# KiCad board HandyWork-5x3-with-mods-with-nav-PCB.kicad_pcb (continued)
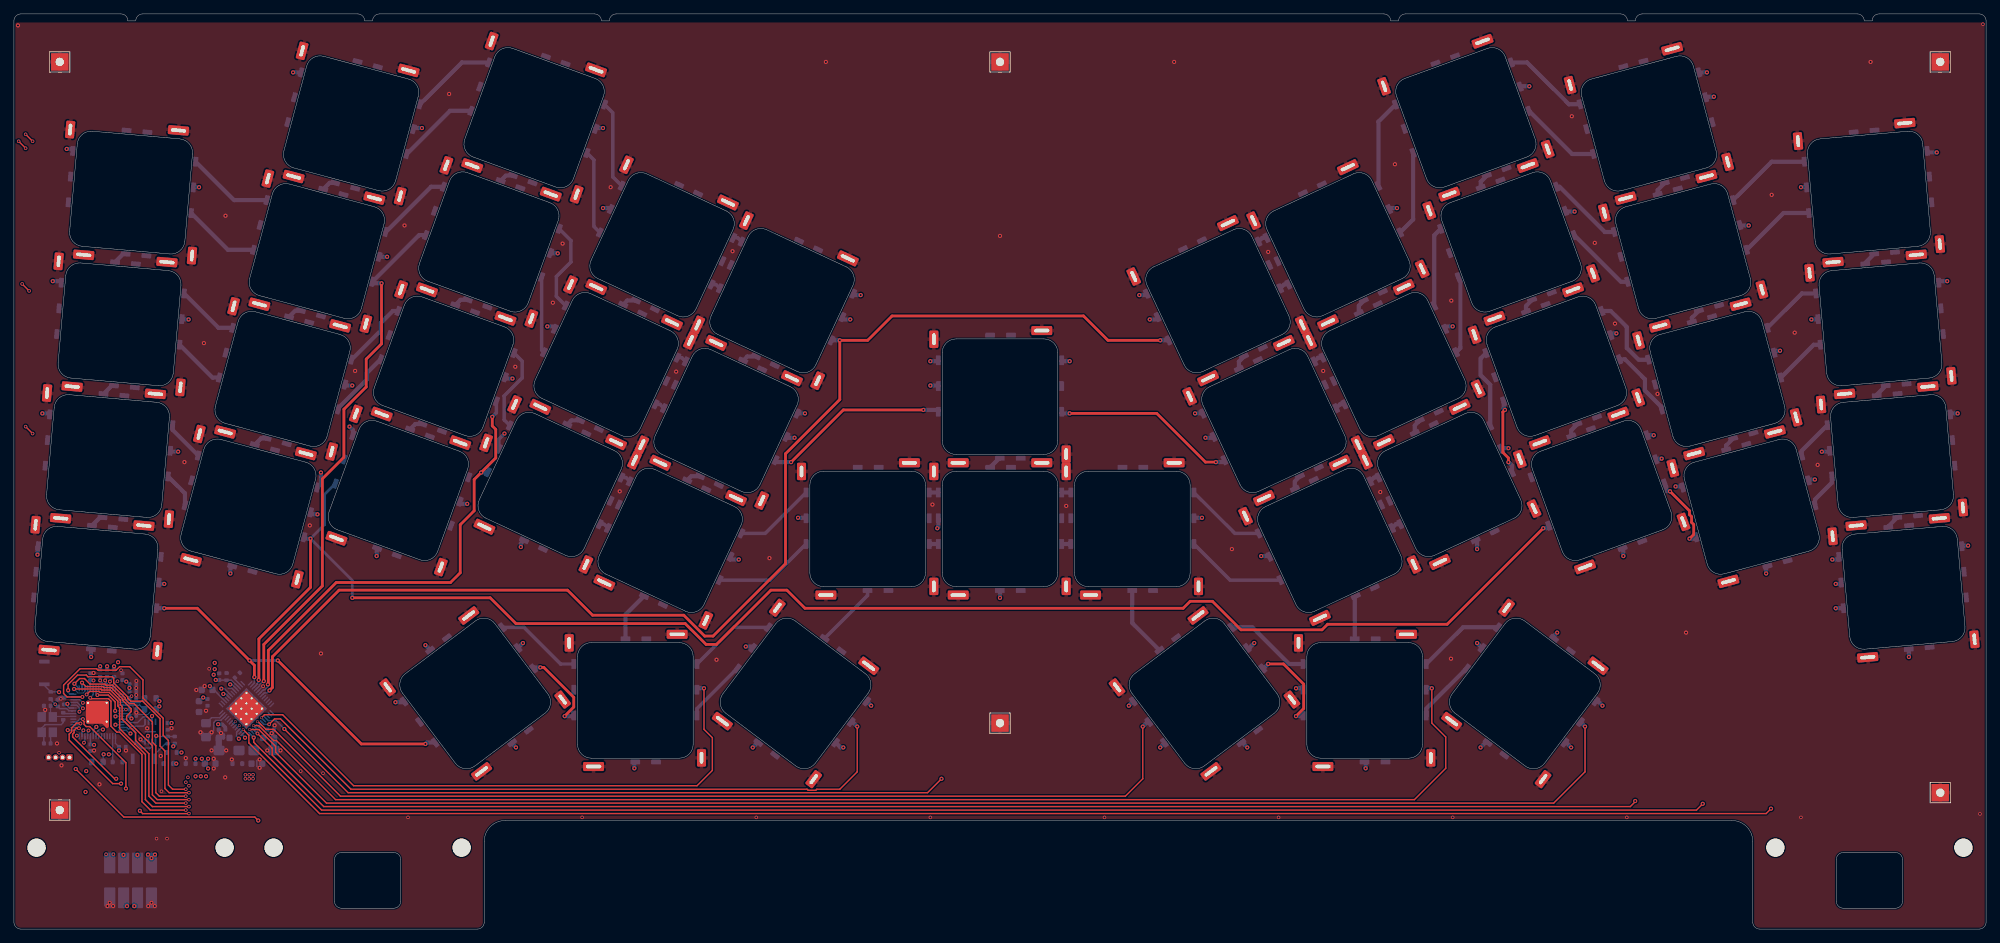
[diagram p0: board, top side]
## Nets (continued)
Net-(SW_R2C11A-ROW-Pad4): SW_R2C11.4 SW_R2C12.3
Net-(SW_R2C11B-LED--Pad8): SW_R2C11.8 SW_R2C12.7
Net-(SW_R2C12A-COL-Pad9): SW_R2C12.9 SW_R3C12.1
Net-(SW_R2C12A-ROW-Pad4): SW_R2C12.4 SW_R2C13.3
Net-(SW_R2C12B-LED--Pad8): SW_R2C12.8 SW_R2C13.7
Net-(SW_R2C13A-COL-Pad9): SW_R2C13.9 SW_R3C13.1
Net-(SW_R3C1A-COL-Pad9): SW_R3C1.9 SW_R4C1.1
Net-(SW_R3C1A-ROW-Pad4): SW_R3C1.4 SW_R3C2.3
Net-(SW_R3C1B-LED--Pad8): SW_R3C1.8 SW_R3C2.7
Net-(SW_R3C2A-COL-Pad9): SW_R3C2.9 SW_R4C2.1
Net-(SW_R3C2A-ROW-Pad4): SW_R3C2.4 SW_R3C3.3
Net-(SW_R3C2B-LED--Pad8): SW_R3C2.8 SW_R3C3.7
Net-(SW_R3C3A-COL-Pad9): SW_R3C3.9 SW_R4C3.1
Net-(SW_R3C3A-ROW-Pad4): SW_R3C3.4 SW_R3C4.3
Net-(SW_R3C4A-COL-Pad9): SW_R3C4.9 SW_R5C4.1
Net-(SW_R3C4A-ROW-Pad4): SW_R3C4.4 SW_R3C5.3
Net-(SW_R3C4B-LED--Pad8): SW_R3C4.8 SW_R3C5.7
Net-(SW_R3C5A-COL-Pad9): SW_R3C5.9 SW_R5C5.1
Net-(SW_R3C5A-ROW-Pad4): SW_R3C5.4 SW_R3C6.3
Net-(SW_R3C5B-LED--Pad8): SW_R3C5.8 SW_R3C6.7
Net-(SW_R3C6A-COL-Pad9): SW_R3C6.9 SW_R5C6.1
Net-(SW_R3C6A-ROW-Pad4): SW_R3C6.4 SW_R3C7.3
Net-(SW_R3C6B-LED--Pad8): SW_R3C6.8 SW_R3C7.7
Net-(SW_R3C7A-ROW-Pad4): SW_R3C7.4 SW_R3C8.3
Net-(SW_R3C7B-LED--Pad8): SW_R3C7.8 SW_R3C8.7
Net-(SW_R3C8A-COL-Pad9): SW_R3C8.9 SW_R5C8.1
Net-(SW_R3C8A-ROW-Pad4): SW_R3C8.4 SW_R3C9.3
Net-(SW_R3C8B-LED--Pad8): SW_R3C8.8 SW_R3C9.7
Net-(SW_R3C9A-COL-Pad9): SW_R3C9.9 SW_R5C9.1
Net-(SW_R3C10A-COL-Pad9): SW_R3C10.9 SW_R5C10.1
Net-(SW_R3C10A-ROW-Pad3): SW_R3C9.4 SW_R3C10.3
Net-(SW_R3C10A-ROW-Pad4): SW_R3C10.4 SW_R3C11.3
Net-(SW_R3C10B-LED--Pad7): SW_R3C9.8 SW_R3C10.7
Net-(SW_R3C10B-LED--Pad8): SW_R3C10.8 SW_R3C11.7
Net-(SW_R3C11A-COL-Pad9): SW_R3C11.9 SW_R4C11.1
Net-(SW_R3C11A-ROW-Pad4): SW_R3C11.4 SW_R3C12.3
Net-(SW_R3C11B-LED--Pad8): SW_R3C11.8 SW_R3C12.7
Net-(SW_R3C12A-COL-Pad9): SW_R3C12.9 SW_R4C12.1
Net-(SW_R3C12A-ROW-Pad4): SW_R3C12.4 SW_R3C13.3
Net-(SW_R3C12B-LED--Pad8): SW_R3C12.8 SW_R3C13.7
Net-(SW_R3C13A-COL-Pad9): SW_R3C13.9 SW_R4C13.1
Net-(SW_R4C1A-COL-Pad9): SW_R4C1.9 SW_R5C1.1
Net-(SW_R4C1A-ROW-Pad4): SW_R4C1.4 SW_R4C2.3
Net-(SW_R4C1B-LED--Pad8): SW_R4C1.8 SW_R4C2.7
Net-(SW_R4C2A-ROW-Pad4): SW_R4C2.4 SW_R4C3.3
Net-(SW_R4C11A-ROW-Pad4): SW_R4C11.4 SW_R4C12.3
Net-(SW_R4C11B-LED--Pad8): SW_R4C11.8 SW_R4C12.7
Net-(SW_R4C12A-ROW-Pad4): SW_R4C12.4 SW_R4C13.3
Net-(SW_R4C12B-LED--Pad8): SW_R4C12.8 SW_R4C13.7
Net-(SW_R4C13A-COL-Pad9): SW_R4C13.9 SW_R5C13.1
Net-(SW_R5C4A-ROW-Pad4): SW_R5C4.4 SW_R5C5.3
Net-(SW_R5C4B-LED--Pad8): SW_R5C4.8 SW_R5C5.7
Net-(SW_R5C5A-ROW-Pad4): SW_R5C5.4 SW_R5C6.3
Net-(SW_R5C5B-LED--Pad8): SW_R5C5.8 SW_R5C6.7
Net-(SW_R5C6A-ROW-Pad4): SW_R5C6.4 SW_R5C8.3
Net-(SW_R5C6B-LED--Pad8): SW_R5C6.8 SW_R5C8.7
Net-(SW_R5C8A-ROW-Pad4): SW_R5C8.4 SW_R5C9.3
Net-(SW_R5C8B-LED--Pad8): SW_R5C8.8 SW_R5C9.7
Net-(SW_R5C10A-ROW-Pad3): SW_R5C9.4 SW_R5C10.3
Net-(SW_R5C10A-ROW-Pad4): SW_R5C10.4 SW_R5C13.3
Net-(SW_R5C10B-LED--Pad7): SW_R5C9.8 SW_R5C10.7
Net-(SW_R5C10B-LED--Pad8): SW_R5C10.8 SW_R5C13.7
Net-(U1-QSPI_SCLK): U1.52 U2.6
Net-(U1-QSPI_SD0): U1.53 U2.5
Net-(U1-QSPI_SD1): U1.55 U2.2
Net-(U1-QSPI_SD2): U1.54 U2.3
Net-(U1-QSPI_SD3): U1.51 U2.7
Net-(U1-RUN): R6.1 SW2.2 U1.26
Net-(U1-XIN): C3.1 U1.20 Y1.3
Net-(U1-XOUT): R3.2 U1.21
Net-(U1-~{QSPI_SS}): R1.2 R2.2 U1.56 U2.1
Net-(U3-IICRST): R12.2 U3.47
Net-(U3-RSET): R13.2 U3.35

Pads without a net: SW_R1C2 1 5 7; SW_R1C3 1 5; SW_R1C4 1 6; SW_R1C5 1 5; SW_R1C9 1 6; SW_R1C10 1 5; SW_R1C11 1 5; SW_R1C12 1 5 8; SW_R2C1 1 5 7; SW_R2C2 5; SW_R2C3 5; SW_R2C4 6; SW_R2C5 5; SW_R2C7 1 6; SW_R2C9 6; SW_R2C10 5; SW_R2C11 5; SW_R2C12 5; SW_R2C13 1 6 8; SW_R3C1 5 7; SW_R3C2 5; SW_R3C3 5; SW_R3C4 6; SW_R3C5 5; SW_R3C6 1 6; SW_R3C7 6; SW_R3C8 1 5; SW_R3C9 6; SW_R3C10 5; SW_R3C11 5; SW_R3C12 5; SW_R3C13 6 8; SW_R4C1 5 7; SW_R4C2 5; SW_R4C3 4 5 8; SW_R4C11 3; SW_R4C13 6 8; SW_R5C1 4 5 7; SW_R5C4 5; SW_R5C5 5; SW_R5C13 6 8; U3 1 8 9 10 11 13 14 15 31 32 33 36 40

## Via types
v1: diameter 0.6, hole 0.3, Top to Bottom, 274 vias
v2: diameter 0.5, hole 0.3, Top to Bottom, 51 vias
v3: diameter 0.55, hole 0.3, Top to Bottom, 24 vias
v4: diameter 0.4, hole 0.3, Top to Bottom, 7 vias

## Routing (per net, layer and track width the routed paths; a pad name or vN(x,y) marks a point on that pad's centre or on a via; arc(x,y) is an arc through that point)
+1V1: length 21.3
  In1.Cu w0.2: v1(16.87,30.26) 16.88,30.26 17.64,30.26 18.18,30.8 18.18,32.18 v2(16.89,33.47) 16.48,33.06 13.37,33.06 12.03,34.4 9.71,34.4 v1(7.68,32.36)
  Bottom w0.2: U1.45 16.4,32.96 C6.1 16.6,33.23 16.84,33.47 v2(16.89,33.47) ; U1.50 16.3,30.96 C4.1 16.6,30.54 16.87,30.27 v1(16.87,30.26) ; C5.1 7.61,32.29 v1(7.68,32.36) ; 7.06,32.29 7.46,32.29 7.99,31.76 U1.23
+3V3: length 22.9
  In1.Cu w0.15: 17.04,34.14 18.07,34.14 ; 17.18,35.15 18.08,35.15
  In1.Cu w0.6: v1(28.13,34.91) 28.13,35.26 27.68,35.71 25.38,35.71
  Bottom w0.2: U1.22 7.89,31.36 7.58,31.67 6.6,31.67 C13.1 6.24,32 v2(5.94,32.3) 5.28,32.96 R6.2 ; v1(15.09,25.67) 15.1,25.68 C10.1 14.58,26.68 U1.1 ; v1(22.88,26.26) 23.08,26.46 R1.1 23.15,26.65 23.16,26.65 ; 11.58,26.46 11.5,26.54 C11.1 U1.10 ; R8.2 v1(12.38,37.76) ; R9.2 v1(13.38,37.76) ; U3.39 28.7,34.38 C18.1 28.51,34.54 v1(28.13,34.91) ; U1.33 C12.1 11.4,35.78 11.43,35.75 v3(11.43,35.72) ; C9.1 16.66,31.57 ; C8.1 16.6,34.67 v1(16.58,34.65) ; R10.2 v1(14.38,37.76)
  Bottom w0.5: J2.8 v1(19.75,10.2) ; v1(19.75,10.2) v1(20.25,10.7) ; v1(19.75,10.2) v1(19.25,10.7) ; 28.48,34.4 C18.1
  vias: v1(11.51,26.46) v1(16.13,35.56) v1(22.63,29.61) v1(26.08,24.47) v1(26.08,21.95) v1(26.83,21.95) v1(26.98,24.47) v1(27.58,21.95) v1(27.88,24.47) v1(27.88,23.07) v2(16.08,31.55)
+5V: length 11
  In2.Cu w0.5: v1(27.18,33.28) 29.32,31.13 v1(29.32,29.44) 29.28,29.48
  Bottom w0.2: 14.28,10.78 13.75,10.25 J2.2 13.75,10.21 13.18,10.78 ; C25.1 32.32,26.11 ; C20.1 26.66,32.75 v1(27.18,33.28) ; C26.1 34.44,26.11
  Bottom w0.5: v1(29.32,29.44) 29.32,29.43 29.92,29.43 30.36,29 C24.1
  vias: v2(13.23,10.75) v2(14.28,10.75) v2(33.23,22.18) v2(33.23,21.6) v2(33.78,22.18) v2(33.78,21.6) v2(34.33,22.18) v2(34.33,21.6)
GND: length 60.7
  Top w0.4: U1.57 11.98,30.5 13.33,29.15
  Top w0.5: 13.38,29.81 13.38,29.15
  In1.Cu w0.15: 25.28,16 25.58,16.3 25.63,16.35 25.63,21.55 25.51,21.68 25.51,22.12 25.13,22.5 ; 6.68,31.88 6.43,32.13 6.43,32.74 6.78,33.09
  In1.Cu w0.2: 27.38,22.7 27.48,22.7 27.65,22.52 28.11,22.52
  In2.Cu w0.15: 24.63,15.65 24.18,16.1 24.18,21.75 24.53,22.1
  Bottom w0.15: C12.2 11.37,36.74 v1(11.43,36.8) ; 19.56,31.19 19.21,30.84 17.74,30.84 C4.2
  Bottom w0.2: 11.58,25.66 11.5,25.58 C11.2 ; Y1.4 5.26,27.95 C2.1 ; v1(19.28,3.31) v1(19.75,3.78) J2.7 19.75,3.79 v1(20.23,3.31) ; 30.78,34.6 31.3,34.6 U3.44 ; D1.1 31.38,24.28 v1(31.28,24.38) ; C25.2 v1(30.48,25.68) ; C10.2 16.06,25.68 v1(16.08,25.66) ; 4.3,31.5 v1(4.48,31.5) 4.48,30.97 Y1.2 4.3,30.79 4.3,31.5 ; 4.3,31.5 C3.2 ; v1(27.38,34.91) 26.96,34.49 C18.2 ; v1(28.68,23.07) 28.96,23.35 C16.2 28.96,24.2 v1(28.68,24.47) ; C26.2 36.28,25.68 ; U3.34 29.71,29.99 28.99,29.99 28.68,29.68 28.68,28.58 v1(28.38,28.28) ; U3.5 35.76,34.9 v3(35.78,34.9) ; C8.2 17.56,34.68 17.58,34.66 v3(17.56,34.64) C7.2 C6.2 ; v1(13.43,3.31) 13.75,3.63 J2.1 v1(13.75,3.79) v1(14.23,3.31) ; v1(18.18,27.26) 18.51,26.94 U2.4 ; 36.63,27.88 36.9,28.15 v1(37.01,28.15) ; D2.1 v1(24.68,24.57) ; 35.06,24.38 34.88,24.2 34.88,23.4 35.1,23.18 v1(35.28,23.18) 35.66,23.55 35.66,24 v1(35.28,24.38) 35.06,24.38
  Bottom w0.5: C24.2 29.4,28.5 v1(29.73,28.17) 29.78,28.17 30.08,27.88 30.08,27.48 C23.2 ; 7.28,33.25 6.58,33.25 C13.2 ; 37.36,28.5 C22.2
  Bottom w0.6: v1(28.38,28.28) 27.68,27.58 R13.1 27.48,27.58 v1(26.78,28.28)
  Bottom w0.9: C23.2 29.41,25.71 C25.2 ; C26.2 37.36,25.71 C21.2
  vias: v1(0.58,129.85) v1(6.18,26.67) v1(6.83,23.53) v1(11.51,25.66) v1(12.28,20.8) v1(17.58,31.11) v1(19.13,28.85) v1(21.08,24.88) v1(22.63,28.86) v1(24.48,67.1) v1(26.18,34.36) v1(27.28,84.2) v1(27.58,31.38) v1(28.38,25.68) v1(30.33,21.8) v1(30.38,102.5) v1(36.38,25.68) v1(37.43,29.28) v1(38.28,25.68) v1(42.48,58) v1(44.08,39.6) v1(48.98,80.2) v1(56.08,101.1) v1(62.48,120) v1(71.98,80.8) v1(77.38,90) v1(78.78,98.5) v1(85.68,106.6) v1(86.98,62.9) v1(95.08,80.1) v1(100.88,38.7) v1(103.18,97.4) v1(108.48,53.3) v1(116.58,124.6) v1(131.88,61) v1(141.58,99.6) v1(151.08,60.8) v1(166.58,124.6) v1(174.88,54.6) v1(180.08,97.3) v1(187.98,80.2) v1(196.18,62.8) v1(198.28,109.9) v1(206.33,38.85) v1(206.38,90.3) v1(223.68,116.8) v1(226.98,98.6) v1(229.88,87) v1(235.98,76.9) v1(240.08,42.6) v1(252.38,105.5) v1(255.68,85.7) v1(258.98,66.7) v1(266.58,124.6) v2(6.48,25.34) v2(6.74,33.09) v2(15.38,37.2) v2(20.48,13) v2(21.18,19.8) v2(21.98,13) v2(28.03,37.4) v2(41.18,22.7) v2(44.38,22.4) v2(56.58,16.05) v2(81.58,16.05) v2(106.58,16.05) v2(131.58,16.05) v2(156.58,16.05) v2(181.58,16.05) v2(206.58,16.05) v2(231.58,16.05) v2(256.58,16.05) v2(282.28,16.55) v2(282.71,130.03) v3(17.58,35.65) v3(17.56,33.63)
/COL1: length 19
  In2.Cu w0.2: v1(11.08,39.1) 9.08,39.1 5.28,35.3 5.28,30.6 6.98,28.9 6.98,28.1 7.28,27.8 v3(9.03,27.8)
  Bottom w0.2: v3(9.03,27.8) 9.11,27.72 U1.14
  Bottom w0.6: v1(11.08,39.1) 11.06,39.1 SW_R5C1.9
/COL2: length 39.4
  In2.Cu w0.2: v1(7.73,28.59) 7.73,29.35 9.08,30.7 12.68,30.7 14.08,32.1 19.17,32.1 31.08,44.01 v1(31.08,51.1)
  Bottom w0.2: U1.15 7.76,28.56 v1(7.73,28.59)
  Bottom w0.6: SW_R4C2.9 31.08,52.16 v1(31.08,51.1)
/COL3: length 80.4
  Top w0.2: v3(9.34,28.86) 9.32,28.86 9.28,28.9 8.98,28.9 8.63,28.55 8.63,28.22 8.43,28.02 8.43,27.63 14.46,21.6 v1(14.68,21.6)
  In1.Cu w0.2: v1(14.68,21.6) 14.69,21.61 24.79,21.61 v2(24.98,21.8)
  In2.Cu w0.2: v2(24.98,21.8) 25.68,22.5 29.68,22.5 32.08,22.5 32.38,22.8 34.68,22.8 35.88,21.6 47.58,21.6 52.08,26.1 v1(52.08,53.6)
  Bottom w0.2: U1.16 9.22,28.96 9.32,28.86 v3(9.34,28.86)
  Bottom w0.6: v1(52.08,53.6) 52.08,54.71 SW_R4C3.9
/COL4: length 76.3
  Top w0.2: v3(9.56,29.53) 9.5,29.53 9.43,29.6 8.98,29.6 8.28,28.9 8.28,28.36 7.93,28.01 7.93,27.15 14.18,20.9 v1(15.38,20.9)
  In1.Cu w0.2: v2(24.68,21.1) 15.58,21.1 v1(15.38,20.9)
  In2.Cu w0.2: v2(24.68,21.1) 65.88,21.1 66.03,20.95 66.73,20.95 66.88,21.1 70.08,21.1 72.08,23.1 v1(72.08,26.1)
  Bottom w0.2: v3(9.56,29.53) 9.5,29.53 9.43,29.6 9.43,29.6 9.19,29.36 U1.17
  Bottom w0.6: v1(72.08,26.1) 71.53,26.65 SW_R5C4.9
/COL5: length 89.6
  Top w0.2: v3(9.91,30.17) 9.91,29.97 10.08,29.8 10.08,29.4 10.38,29.1 10.88,29.1 16.08,23.9 v1(16.08,20.2)
  In1.Cu w0.2: v1(16.08,20.2) 16.48,20.6 v2(25.13,20.6)
  In2.Cu w0.2: v1(89.08,23.1) 86.58,20.6 v2(25.13,20.6)
  Bottom w0.2: U1.18 9.04,29.76 9.48,30.2 9.88,30.2 v3(9.91,30.17)
  Bottom w0.6: SW_R5C5.9 89.08,24.01 v1(89.08,23.1)
/COL6: length 123.2
  Top w0.2: v3(9.83,33.35) 7.63,33.35 7.13,33.85 7.13,35.05 9.48,37.4 11.88,37.4 12.08,37.2 14.67,37.2 15.17,37.7 16.63,37.7 18.53,35.8 18.53,33.2 21.43,30.3 21.43,27.85 22.18,27.1 22.18,20.7 22.78,20.1 v2(24.68,20.1)
  In2.Cu w0.2: v1(106.08,26.1) 100.08,20.1 v2(24.68,20.1)
  Bottom w0.2: U1.27 9.82,33.36 v3(9.83,33.35)
  Bottom w0.6: SW_R5C6.9 106.78,26.8 v1(106.08,26.1)
/COL7: length 173.8
  Top w0.2: v1(7.78,34.33) 7.78,35.15 9.13,36.5 10.38,36.5 10.63,36.25 14.13,36.25 14.33,36.05 14.33,35.37 16.33,33.37 16.33,33.2 16.78,32.75 18.47,32.75 20.98,30.24 20.98,26.3 21.68,25.6 21.68,20.2 22.28,19.6 v2(25.13,19.6)
  In2.Cu w0.2: v2(25.13,19.6) 133.68,19.6 136.78,22.7 136.78,33.5 141.58,38.3 v1(141.58,47.6)
  Bottom w0.2: U1.28 8.04,33.76 7.78,34.03 v1(7.78,34.33)
  Bottom w0.6: SW_R3C7.9 141.58,48.65 v1(141.58,47.6)
/COL8: length 188.5
  Top w0.2: v2(24.67,19.1) 20.88,19.1 20.38,19.6 20.38,26.35 19.88,26.85 19.88,29.75 17.23,32.4 16.58,32.4 15.98,33 15.98,33.2 14.13,35.05 13.23,35.05 13.08,35.2 10.93,35.2 10.13,36 9.43,36 v1(8.68,35.25)
  In2.Cu w0.2: v1(177.08,26.1) 177.08,22.6 173.58,19.1 v2(24.67,19.1)
  Bottom w0.2: U1.29 9.33,34.6 v1(8.68,35.25)
  Bottom w0.6: SW_R5C8.9 176.4,26.78 v1(177.08,26.1)
/COL9: length 201.1
  Top w0.2: v2(25.13,18.6) 20.58,18.6 19.88,19.3 19.88,26.35 16.18,30.05 16.18,30.6 16.83,31.25 16.83,31.65 15.63,32.85 15.63,33.05 13.98,34.7 12.93,34.7 12.78,34.85 10.33,34.85 v1(9.78,35.4)
  In2.Cu w0.2: 25.14,18.58 25.15,18.6 189.58,18.6 v1(194.08,23.1)
  Bottom w0.2: U1.30 v1(9.78,35.4)
  Bottom w0.6: v1(194.08,23.1) 194.08,24.01 SW_R5C9.9
/COL10: length 221.4
  Top w0.2: v2(24.68,18.1) 20.38,18.1 19.38,19.1 19.38,25.2 17.48,27.1 17.48,28.2 15.53,30.15 15.53,32 15.28,32.25 15.28,32.9 13.83,34.35 12.63,34.35 12.48,34.5 8.64,34.5 v1(8.63,34.5)
  In2.Cu w0.2: v2(24.68,18.1) 202.58,18.1 v1(210.58,26.1)
  Bottom w0.15: U1.31 10.18,34.16 9.95,33.93 9.21,33.93 v1(8.63,34.5)
  Bottom w0.6: v1(210.58,26.1) 211.28,26.8 SW_R5C10.9
/COL11: length 268.3
  Top w0.2: v3(10.44,33.71) 10.87,34.15 11.76,34.15 11.76,34.15 12.2,34.15 12.35,34 13.69,34 14.93,32.76 14.93,32.05 15.18,31.8 15.18,28.8 17.38,26.6 17.38,26.6 18.88,25.1 18.88,18.6 19.88,17.6 v2(25.13,17.6)
  In2.Cu w0.2: v2(25.13,17.6) 225.08,17.6 231.08,23.6 v1(231.08,53.6)
  Bottom w0.2: v3(10.44,33.71) 10.58,33.86 U1.32
  Bottom w0.6: v1(231.08,53.6) 231.08,54.7 SW_R4C11.9
/COL12: length 282.6
  Top w0.2: v3(10.95,33.24) 11.09,33.1 13.58,33.1 13.93,32.75 13.93,29.15 14.78,28.3 15.18,28.3 18.38,25.1 18.38,18.3 19.58,17.1 v2(24.68,17.1)
  In2.Cu w0.2: v2(24.68,17.1) 238.68,17.1 251.58,30 v1(251.58,51.1)
  Bottom w0.2: v3(10.95,33.24) 11.38,33.67 U1.34
  Bottom w0.6: v1(251.58,51.1) 251.58,52.15 SW_R4C12.9
/COL13: length 297.1
  Top w0.2: v1(14.53,31.35) 14.53,32.65 13.55,33.62 v3(11.98,33.62) ; v2(25.13,16.6) 25.12,16.59 18.49,16.59 v1(18.08,17)
  In2.Cu w0.2: v2(25.13,16.6) 267.08,16.6 272.08,21.6 v1(272.08,39.1) ; v1(18.08,17) 17.68,17.4 17.68,26.5 16.88,27.3 15.86,27.3 13.98,29.18 13.98,30.8 v1(14.53,31.35)
  Bottom w0.2: v3(11.98,33.62) 11.78,33.82 U1.35
  Bottom w0.6: v1(272.08,39.1) 272.08,40.22 SW_R5C13.9
/I^{2}C_SCL: length 22.6
  In1.Cu w0.2: v1(28.68,36.55) 28.17,36.55 27.72,37 15.89,37 15.04,36.15 13.53,36.15 13.11,35.72 v3(13.1,35.72)
  In2.Cu w0.2: v1(28.68,36.55) 29.01,36.55 29.78,35.78 v1(29.78,34.55)
  Bottom w0.2: U1.39 13.38,35.23 13.1,35.51 v3(13.1,35.72) ; U3.42 30.22,34.55 v1(29.78,34.55) ; R9.1 13.1,35.97 v3(13.1,35.72) ; v3(13.1,35.72) 13.12,35.72
/I^{2}C_SDA: length 25.1
  In1.Cu w0.2: v3(12.38,35.72) 12.38,36.3 13.18,37.1 14.53,37.1 15.33,37.9 28.28,37.9 v1(28.83,37.35)
  In2.Cu w0.2: v1(28.83,37.35) 30.33,35.85 30.33,34.05 v1(30.07,33.79)
  Bottom w0.2: U1.38 12.98,35.1 12.38,35.7 v3(12.38,35.72) R8.1 ; v1(30.07,33.79) 30.42,33.79 U3.41
/LED_COL1: length 92.8
  In1.Cu w0.2: v1(32.29,27.35) 29.18,30.47 29.18,32.75 29.48,33.05 29.48,33.65 28.98,34.15 28.98,34.85 29.78,35.65 29.78,41.4 v1(21.58,49.6) 22.78,50.8 22.78,55.4 23.38,56 23.38,68.4 v1(23.58,68.6) 23.58,73.7 25.18,75.3 25.18,87.5 v1(25.08,87.6) 27.08,89.6 27.08,106.1 v1(26.58,106.6)
  Bottom w0.2: U3.27 31.96,28.28 31.96,27.68 v1(32.29,27.35)
  Bottom w0.6: v1(21.58,49.6) 20.8,49.6 SW_R5C1.6 ; SW_R3C1.6 24.11,87.6 v1(25.08,87.6) ; v1(23.58,68.6) 22.46,68.6 SW_R4C1.6 ; v1(26.58,106.6) 25.77,106.6 SW_R2C1.6
/LED_COL2: length 108.9
  In1.Cu w0.2: v1(58.58,115.1) 58.58,101.6 v1(53.58,96.6) 52.08,95.1 52.08,81.6 v1(48.58,78.1) 47.08,76.6 47.08,66.7 44.78,64.4 44.78,60.8 v1(43.58,59.6) 43.58,49.4 40.88,46.7 37.48,46.7 31.98,41.2 31.98,34.4 29.53,31.95 29.53,30.88 31.53,28.88 31.8,28.88 v1(33.18,27.5)
  Bottom w0.2: U3.25 32.81,27.87 v1(33.18,27.5)
  Bottom w0.6: v1(58.58,115.1) 57.36,115.1 SW_R1C2.6 ; v1(53.58,96.6) 52.44,96.6 SW_R2C2.6 ; v1(48.58,78.1) 47.52,78.1 SW_R3C2.6 ; v1(43.58,59.6) 42.61,59.6 SW_R4C2.6
/LED_COL3: length 127
  In1.Cu w0.2: v1(65.08,61.1) 63.38,59.4 63.38,51.4 57.58,45.6 37.58,45.6 32.48,40.5 32.48,34.4 29.93,31.85 29.93,31.02 31.72,29.24 v4(32.35,29.24)
  In2.Cu w0.2: v1(65.08,61.1) 66.38,62.4 66.38,66.18 69.88,69.68 69.88,77.4 v1(71.58,79.1) 73.58,81.1 73.58,84.7 78.08,89.2 v1(78.08,97.1) 78.08,98.9 84.58,105.4 v1(84.58,115.1)
  Bottom w0.2: U3.28 v4(32.35,29.24)
  Bottom w0.6: v1(84.58,115.1) 83.53,115.1 SW_R1C3.6 ; SW_R4C3.6 64.03,61.1 v1(65.08,61.1) ; v1(71.58,79.1) 70.53,79.1 SW_R3C3.6 ; v1(78.08,97.1) 77.03,97.1 SW_R2C3.6
/LED_COL4: length 131.3
  In1.Cu w0.2: 64.98,50.2 64.98,50.14 59.44,44.6 38.98,44.6 32.98,38.6 32.98,34.3 30.28,31.6 30.28,31.31 v4(31.79,29.8) ; 64.98,50.2 68.18,50.2 73.08,45.3 v1(73.08,41.1) ; 64.98,50.2 64.98,58.9 65.88,59.8 65.88,65.2 69.48,68.8 69.48,70.3 ; 69.48,70.3 69.53,70.3 v1(70.43,71.2) ; 69.48,70.3 69.48,75.11 74.78,80.41 74.78,84.8 v1(76.58,86.6) 76.58,93.5 84.58,101.5 v1(84.58,103.6)
  Bottom w0.2: v4(31.79,29.8) U3.30
  Bottom w0.5: v1(70.43,71.2) 69.63,70.4 SW_R3C4.5
  Bottom w0.6: SW_R5C4.6 72.39,40.41 v1(73.08,41.1) ; SW_R2C4.5 77.66,86.6 v1(76.58,86.6) ; SW_R1C4.5 85.69,103.6 v1(84.58,103.6)
/LED_COL5: length 150.1
  Top w0.2: v4(35.54,30.37) 35.97,30.8 38.58,30.8 48.78,20.6 98.08,20.6 100.28,22.8 100.28,27.5 99.08,28.7 v1(99.08,34.6)
  In1.Cu w0.2: v1(120.08,87.6) 120.08,78.6 v1(112.08,70.6) 110.18,68.7 110.18,59.2 v1(104.08,53.1) 102.68,51.7 102.68,38.2 v1(99.08,34.6)
  Bottom w0.2: v4(35.54,30.37) 35.54,30.36 U3.17
  Bottom w0.6: v1(112.08,70.6) 110.92,70.6 SW_R2C5.6 ; v1(99.08,34.6) 98.07,34.6 SW_R5C5.6 ; v1(104.08,53.1) 102.89,53.1 SW_R3C5.6 ; SW_R1C5.6 118.95,87.6 v1(120.08,87.6)
/LED_COL6: length 122.9
  Top w0.2: v3(36.64,29.42) 37.42,30.2 38.28,30.2 48.38,20.1 113.88,20.1 114.03,19.95 115.13,19.95 115.28,20.1 118.58,20.1 121.08,22.6 v1(121.08,29.1)
  In1.Cu w0.2: v1(105.08,40.6) 105.08,51.6 v1(112.58,59.1)
  Bottom w0.2: U3.18 35.93,29.41 36.63,29.41 v3(36.64,29.42)
  Bottom w0.6: SW_R3C6.5 113.73,59.1 v1(112.58,59.1) ; v1(105.08,40.6) 106.08,40.6 SW_R5C6.5 ; SW_R5C6.6 120.43,29.75 v1(121.08,29.1)
/LED_COL7: length 162.5
  Top w0.2: v1(133.18,21.6) 131.18,19.6 47.98,19.6 v1(38.83,28.75)
  In1.Cu w0.2: v1(132.58,57.6) 132.58,63 131.08,64.5 131.08,67.2 131.58,67.7 v1(131.58,78.1)
  In2.Cu w0.2: v1(132.58,57.6) 132.58,51.1 132.98,50.7 132.98,50.4 133.18,50.2 v1(133.18,21.6)
  Bottom w0.2: v1(38.83,28.75) 37.63,29.95 36.52,29.95 U3.16
  Bottom w0.6: SW_R2C7.5 132.73,78.1 v1(131.58,78.1) ; v1(132.58,57.6) 132.73,57.75 SW_R3C7.5
/LED_COL8: length 165.3
  Top w0.2: v4(34.97,29.8) 35.08,29.8 36.18,28.7 37.28,28.7 46.88,19.1 159.58,19.1 162.08,21.6 v1(162.08,29.1)
  In1.Cu w0.2: v1(170.58,59.1) 170.58,56.1 176.08,50.6 176.08,43.1 v1(178.08,41.1)
  Bottom w0.2: U3.19 v4(34.97,29.8)
  Bottom w0.6: SW_R5C8.6 177.39,40.41 v1(178.08,41.1) ; SW_R3C8.6 169.5,59.1 v1(170.58,59.1) ; SW_R5C8.5 162.73,29.75 v1(162.08,29.1)
/LED_COL9: length 258.2
  Top w0.2: v4(34.4,29.23) 35.15,29.23 37.28,27.1 37.68,27.1 46.18,18.6 201.08,18.6 205.58,23.1 205.58,27.6 203.58,29.6 v1(203.58,34.6)
  In1.Cu w0.2: v1(163.08,87.6) 163.08,78.6 v1(171.08,70.6) 171.08,61.6 v1(179.08,53.6) 179.08,46.6 182.08,43.6 182.08,36.6 v1(184.08,34.6)
  Bottom w0.2: U3.21 34.41,29.23 v4(34.4,29.23)
  Bottom w0.6: SW_R3C9.5 180.27,53.6 v1(179.08,53.6) ; SW_R5C9.6 202.79,34.6 v1(203.58,34.6) ; v1(184.08,34.6) 185.09,34.6 SW_R5C9.5 ; SW_R2C9.5 172.24,70.6 v1(171.08,70.6) ; SW_R1C9.5 164.21,87.6 v1(163.08,87.6)
/LED_COL10: length 286.3
  Top w0.2: v4(33.84,28.67) 35.16,28.67 35.28,28.55 35.28,28.55 37.58,26.25 37.58,25.4 44.88,18.1 221.08,18.1 225.58,22.6 v1(225.58,29.1)
  In1.Cu w0.2: v1(198.58,103.6) 198.58,102.35 205.08,95.85 205.08,88.1 v1(206.58,86.6) 206.58,84.6 212.32,78.86 212.32,73.86 214.58,71.6 v1(214.58,69.1) 214.78,69.3 216.74,69.3 217.58,68.46 217.58,65.8 216.95,65.17 216.95,53.77 210.08,46.9 v1(210.08,41.1)
  Bottom w0.2: v4(33.84,28.67) U3.23
  Bottom w0.6: SW_R3C10.6 213.53,69.1 v1(214.58,69.1) ; v1(210.08,41.1) 210.77,40.41 SW_R5C10.5 ; SW_R5C10.6 v1(225.58,29.1) ; SW_R1C10.6 197.47,103.6 v1(198.58,103.6) ; SW_R2C10.6 205.5,86.6 v1(206.58,86.6)
/LED_COL11: length 323.9
  Top w0.2: v3(34.97,28.11) 37.08,26 37.08,25 44.48,17.6 232.08,17.6 232.78,18.3 v1(232.78,18.4)
  In1.Cu w0.2: v1(217.58,121.1) 224.08,114.6 v1(224.08,103.1) 229.08,98.1 229.08,86.6 v1(230.08,85.6) 230.08,83.6 235.08,78.6 235.08,72.6 236.58,71.1 v1(236.58,67.6)
  In2.Cu w0.2: v1(232.78,18.4) 236.58,22.2 236.58,53.2 238.38,55 238.38,61.9 239.48,63 239.48,63.7 238.88,64.3 237.48,64.3 236.58,65.2 v1(236.58,67.6)
  Bottom w0.2: U3.22 v3(34.97,28.11)
  Bottom w0.6: v1(230.08,85.6) 229.26,85.6 SW_R3C11.6 ; v1(217.58,121.1) 216.26,121.1 SW_R1C11.6 ; v1(236.58,67.6) 235.76,67.6 SW_R4C11.6 ; v1(224.08,103.1) 222.76,103.1 SW_R2C11.6
/LED_COL12: length 333.9
  Top w0.2: v1(34.43,27.51) 34.43,26.85 34.63,26.65 34.63,26.65 44.18,17.1 241.58,17.1 v1(242.48,18)
  In1.Cu w0.2: v1(244.08,119.6) 249.08,114.6 v1(249.08,101.1) 253.58,96.6 v1(253.58,83.1) 257.38,79.3 257.38,65.8 v1(258.58,64.6)
  In2.Cu w0.2: v1(242.48,18) 254.08,29.6 254.08,47.6 259.88,53.4 259.88,63.3 v1(258.58,64.6)
  Bottom w0.2: U3.24 v1(34.43,27.51)
  Bottom w0.6: v1(244.08,119.6) 242.9,119.6 SW_R1C12.6 ; SW_R4C12.6 257.65,64.6 v1(258.58,64.6) ; SW_R3C12.6 252.73,83.1 v1(253.58,83.1) ; v1(249.08,101.1) 247.82,101.1 SW_R2C12.6
/LED_COL13: length 326.5
  Top w0.2: v1(252.28,17.3) 251.58,16.6 43.88,16.6 33.73,26.75 33.73,27.86 v4(32.92,28.67)
  In1.Cu w0.2: v1(261.58,49.6) 262.18,50.2 262.18,59.1 260.48,60.8 260.48,67.7 v1(259.58,68.6) 258.03,70.15 258.03,87.55 v1(258.08,87.6) 255.48,90.2 255.48,105.5 v1(256.58,106.6)
  In2.Cu w0.2: v1(261.58,49.6) 256.58,44.6 256.58,21.6 v1(252.28,17.3)
  Bottom w0.2: v4(32.92,28.67) U3.26
  Bottom w0.6: v1(256.58,106.6) 257.39,106.6 SW_R2C13.5 ; v1(258.08,87.6) 259.05,87.6 SW_R3C13.5 ; v1(261.58,49.6) 262.36,49.6 SW_R5C13.5 ; v1(259.58,68.6) 260.7,68.6 SW_R4C13.5
/LED_EN: length 20
  In1.Cu w0.2: v2(14.87,35.61) 15.23,35.61 16.27,36.65 27.53,36.65 28.38,35.8 v1(28.98,35.8)
  Bottom w0.2: v2(14.87,35.61) 14.87,35.61 14.73,35.61 14.18,35.06 U1.41 ; U3.46 31.83,35.2 31.79,35.2 31.23,35.77 R11.2 29.51,35.77 C17.1 28.98,35.8 v1(28.98,35.8)
/LED_INT: length 24.4
  In1.Cu w0.2: v1(14.95,38.35) 14.95,38.25 14.95,38.25 28.58,38.25 28.58,38.25 v1(28.83,38.25)
  In2.Cu w0.2: v1(28.83,38.25) 31.06,36.02 v1(31.06,35.15) ; v1(14.95,38.35) 14.95,37.48 13.78,36.31 v3(13.78,35.57)
  Bottom w0.2: U3.45 31.31,35.15 v1(31.06,35.15) ; U1.40 13.78,35.57 v3(13.78,35.57) 13.78,35.65 R10.1 14.38,36.25 ; 13.78,35.5 13.78,35.5
/LED_ROW1: length 177.7
  Top w0.4: v1(164.58,84.6) 157.08,84.6 153.58,88.1 126.08,88.1 122.58,84.6 v1(118.58,84.6) 118.58,76.1 110.78,68.3 110.78,52.5 100.38,42.1 99.18,42.1 96.18,45.1 83.08,45.1 79.48,48.7 46.68,48.7 37.11,39.13 37.11,34.71 v1(36.69,34.29)
  Bottom w0.2: U3.7 35.93,33.94 36.34,33.94 v1(36.69,34.29)
  Bottom w0.5: SW_R1C5.8 117.39,84.6
  Bottom w0.6: v1(164.58,84.6) 165.77,84.6 SW_R1C9.7 ; 117.39,84.6 v1(118.58,84.6)
/LED_ROW2: length 77.7
  Top w0.4: v1(35.87,35.62) 35.87,40.89 44.28,49.3 44.28,64.7 47.38,67.8 47.38,74.7 50.58,77.9 50.58,81.9 52.78,84.1 v1(52.78,92.8)
  Bottom w0.2: v1(35.87,35.62) 35.75,35.62 35.25,35.12 35.25,34.96 U3.4
  Bottom w0.6: v1(52.78,92.8) 51.7,92.8 SW_R2C2.8 58.18,99.72 SW_R2C3.7
/LED_ROW3: length 67.2
  Top w0.4: v1(36.46,35.15) 36.53,35.21 36.53,40.05 46.28,49.8 62.68,49.8 64.08,51.2 64.08,58.1 66.08,60.1 66.08,64.6 v1(67.08,65.6) 69.18,67.7 69.18,71.8 68.68,72.3 v1(68.68,73.6)
  Bottom w0.2: v1(36.46,35.15) 36.46,34.84 36,34.37 35.8,34.37 U3.6
  Bottom w0.5: v1(68.68,73.6) 69.27,74.19 SW_R3C3.8
  Bottom w0.6: SW_R3C4.7 68.06,65.6 v1(67.08,65.6)
/LED_ROW4: length 233.5
  Top w0.4: 48.68,47.6 v1(48.58,47.6) 68.38,47.6 72.08,43.9 96.38,43.9 99.38,40.9 100.88,40.9 108.68,48.7 110.98,48.7 113.58,46.1 167.88,46.1 168.88,47.1 172.08,47.1 176.18,43 187.82,43 188.62,43.8 205.78,43.8 v1(219.58,57.6) ; v1(42.58,56.1) 42.58,49.1 35.17,41.69 35.17,35.82 v1(35.14,35.79)
  Bottom w0.2: U3.3 34.9,35.18 34.9,35.26 35.14,35.5 v1(35.14,35.79)
  Bottom w0.4: SW_R4C3.7 44.58,62.46 44.58,58.1 v1(42.58,56.1) 48.58,50.1 v1(48.58,47.6)
  Bottom w0.6: SW_R4C2.8 41.65,56.1 v1(42.58,56.1) ; SW_R4C11.7 220.03,57.6 v1(219.58,57.6)
/LED_ROW5: length 52.1
  Top w0.4: v1(37.88,38.6) 49.88,26.6 v1(59.08,26.6) ; v1(34.52,36.21) 34.52,37.91 v1(33.83,38.6) 26.33,46.1 v1(21.58,46.1)
  Bottom w0.2: v1(34.52,36.21) 34.52,35.36 U3.2
  Bottom w0.4: v1(33.83,38.6) v1(37.88,38.6)
  Bottom w0.6: v1(21.58,46.1) 21.57,46.11 SW_R5C1.8 ; v1(59.08,26.6) 59.28,26.8 SW_R5C4.7
/ROW1: length 420.8
  In1.Cu w0.2: v1(40.08,123.1) 11.58,123.1 0.68,112.2 0.68,22.1 3.08,19.7 v1(10.28,19.7) ; 2.68,114.2 2.68,128.3 3.28,128.9 64.78,128.9 67.78,125.9 68.91,125.9 71.91,128.9 241.68,128.9 243.08,127.5 v1(243.08,123.1)
  In2.Cu w0.2: v1(12.78,28.68) 12.78,26.1 12.18,25.5 12.18,21.6 v1(10.28,19.7)
  Bottom w0.2: v1(12.78,28.68) 12.27,28.68 11.78,28.19 U1.8
  Bottom w0.6: SW_R1C12.4 v1(243.08,123.1) ; SW_R1C2.3 v1(40.08,123.1)
/ROW2: length 436.7
  In2.Cu w0.2: 2.18,106.7 2.18,128.4 2.98,129.2 280.98,129.2 281.58,128.6 281.58,117.1 v1(276.08,111.6) ; 2.18,106.7 2.18,92.7 1.18,91.7 1.18,22.3 3.28,20.2 9.48,20.2 10.93,21.65 10.93,27.45 11.83,28.35 v1(11.83,29.05) ; 2.18,106.7 v1(7.58,112.1)
  Bottom w0.2: v1(11.83,29.05) 11.38,28.6 U1.9
  Bottom w0.6: v1(7.58,112.1) 8.46,112.1 SW_R2C1.3 ; v1(276.08,111.6) 274.7,111.6 SW_R2C13.4
/ROW3: length 449.3
  Top w0.2: v2(2.68,113.2) v2(1.68,114.2)
  In1.Cu w0.2: 2.68,90.2 v2(2.68,113.2) ; 2.68,90.2 v1(5.58,93.1) ; 2.68,90.2 2.68,72.2 1.68,71.2 1.68,22.5 3.48,20.7 8.38,20.7 v1(10.38,22.7) ; v1(277.58,93.1) 281.88,97.4 281.88,128.9 281.28,129.5 2.68,129.5 1.68,128.5 v2(1.68,114.2)
  In2.Cu w0.2: v1(10.38,22.7) 10.38,26.11 10.58,26.31 10.58,28.51
  Bottom w0.2: U1.11 10.58,28.41 v3(10.71,28.53)
  Bottom w0.6: SW_R3C13.4 276.36,93.1 v1(277.58,93.1) ; SW_R3C1.3 6.8,93.1 v1(5.58,93.1)
/ROW4: length 463.6
  Top w0.2: v2(2.18,91.7) v2(1.18,92.7)
  In2.Cu w0.2: 2.18,72.2 v1(4.08,74.1) ; 2.18,72.2 v2(2.18,91.7) ; 2.18,72.2 2.18,59.8 1.98,59.6 1.98,56.5 2.18,56.3 2.18,22.7 3.68,21.2 8.03,21.2 9.68,22.85 9.68,26.36 10.06,26.74 v3(10.06,26.78) ; v2(1.18,92.7) 1.18,128.6 2.38,129.8 281.58,129.8 282.18,129.2 282.18,77.2 v1(279.08,74.1)
  Bottom w0.2: U1.12 10.18,26.86 10.1,26.78 v3(10.06,26.78)
  Bottom w0.6: SW_R4C13.4 278.01,74.1 v1(279.08,74.1) ; v1(4.08,74.1) 5.15,74.1 SW_R4C1.3
/ROW5: length 542.3
  Top w0.2: v1(8.88,23) 15.78,16.1 34.58,16.1 v1(35.08,15.6) ; v2(1.68,112.2) v2(0.68,113.2) ; v2(2.68,71.2) v2(1.68,72.2)
  In1.Cu w0.2: v2(2.68,71.2) 2.68,61 4.18,59.5 4.18,57.1 4.07,56.94 3.38,56.25 v1(3.38,53.8) 2.68,53.1 2.68,22.9 3.88,21.7 7.58,21.7 v1(8.88,23) ; v2(1.68,72.2) v2(1.68,112.2) ; v1(54.78,32.6) 47.08,32.6 45.08,30.6 45.08,25.6 v1(35.08,15.6) ; v2(0.68,113.2) 0.68,128.7 2.08,130.1 281.88,130.1 282.48,129.5 282.48,57 v1(280.58,55.1)
  In2.Cu w0.2: v3(9.97,28.56) 9.98,28.56 9.98,27.6 8.88,26.5 v1(8.88,23)
  Bottom w0.2: v3(9.97,28.56) 9.97,28.5 9.78,28.31 U1.13
  Bottom w0.6: v1(3.38,53.8) 3.38,54.91 SW_R5C1.3 3.48,55.02 ; v1(54.78,32.6) 55.9,32.6 SW_R5C4.3 ; v1(280.58,55.1) 279.67,55.1 SW_R5C13.4
/SWCLK: length 9.1
  In1.Cu w0.2: J1.2 6.98,25.31 8.28,26.61 8.28,30.12 v3(9.4,31.24)
  Bottom w0.2: v3(9.4,31.24) 9.38,31.25 9.38,31.79 9.01,32.16 U1.24
/SWDIO: length 11.5
  In1.Cu w0.2: J1.3 5.98,25.65 6.88,26.55 6.88,30.48 8.17,31.76 9.86,31.76 v3(9.91,31.72)
  Bottom w0.2: v3(9.91,31.72) 9.91,31.76 9.1,32.56 U1.25
/USB_D+: length 42.6
  In2.Cu w0.2: v1(17.28,3.3) 17.27,3.3 16.93,2.96 16.93,2.42 17.6,1.75 20.41,1.75 21.06,2.4 21.06,14.35 21.6,14.9 arc(21.67,15.07) 21.6,15.24 21.49,15.35 arc(21.42,15.52) 21.49,15.69 21.57,15.77 arc(21.74,15.84) 21.91,15.77 22.03,15.66 arc(22.2,15.59) 22.37,15.66 22.45,15.74 arc(22.52,15.91) 22.45,16.08 22.34,16.2 arc(22.27,16.37) 22.34,16.54 22.42,16.62 arc(22.59,16.69) 22.76,16.62 22.88,16.51 arc(23.05,16.44) 23.22,16.51 23.51,16.8 23.51,30.7 22.01,32.2 21.08,32.2 v1(20.88,32)
  Bottom w0.2: D4.2 v1(23.31,23.78) ; J2.5 17.75,3.78 17.28,3.31 v1(17.28,3.3) ; v1(20.88,32) 20.44,31.56 R5.1
/USB_D-: length 42.8
  In2.Cu w0.2: v1(20.88,32.75) 21.08,32.55 22.15,32.55 23.86,30.85 23.86,16.65 21.41,14.2 21.41,2.25 20.55,1.4 17.46,1.4 16.58,2.28 16.58,2.96 16.24,3.3 v1(16.23,3.3)
  Bottom w0.2: J2.3 15.75,3.79 16.23,3.31 v1(16.23,3.3) ; R4.1 20.47,33.16 v1(20.88,32.75) ; D3.2 v1(24.06,25.38)
/USB_DN: length 3.6
  Bottom w0.2: U1.46 16.07,32.56 16.1,32.54 18.06,32.54 18.68,33.16 R4.2
/USB_DP: length 3.6
  Bottom w0.2: R5.2 18.68,31.56 18.06,32.19 16.1,32.19 16.07,32.16 U1.47
/~{SLEEP}: length 21.6
  In2.Cu w0.2: v1(13.63,25.11) 13.58,25.06 13.58,14.81 v1(17.73,10.66)
  Bottom w0.2: 14.18,25.11 v1(13.63,25.11) ; 14.18,25.11 D5.2 ; 14.18,25.11 U1.2 ; J2.6 17.75,10.64 v1(17.73,10.66)
Net-(C2-Pad2): length 6.2
  Bottom w0.2: R3.1 7.08,29.67 6.79,29.38 4.48,29.38 3.98,28.88 Y1.1 4.3,27.95 C2.2
